# KiCad board EduboardV2_Baseboard.kicad_pcb (continued)
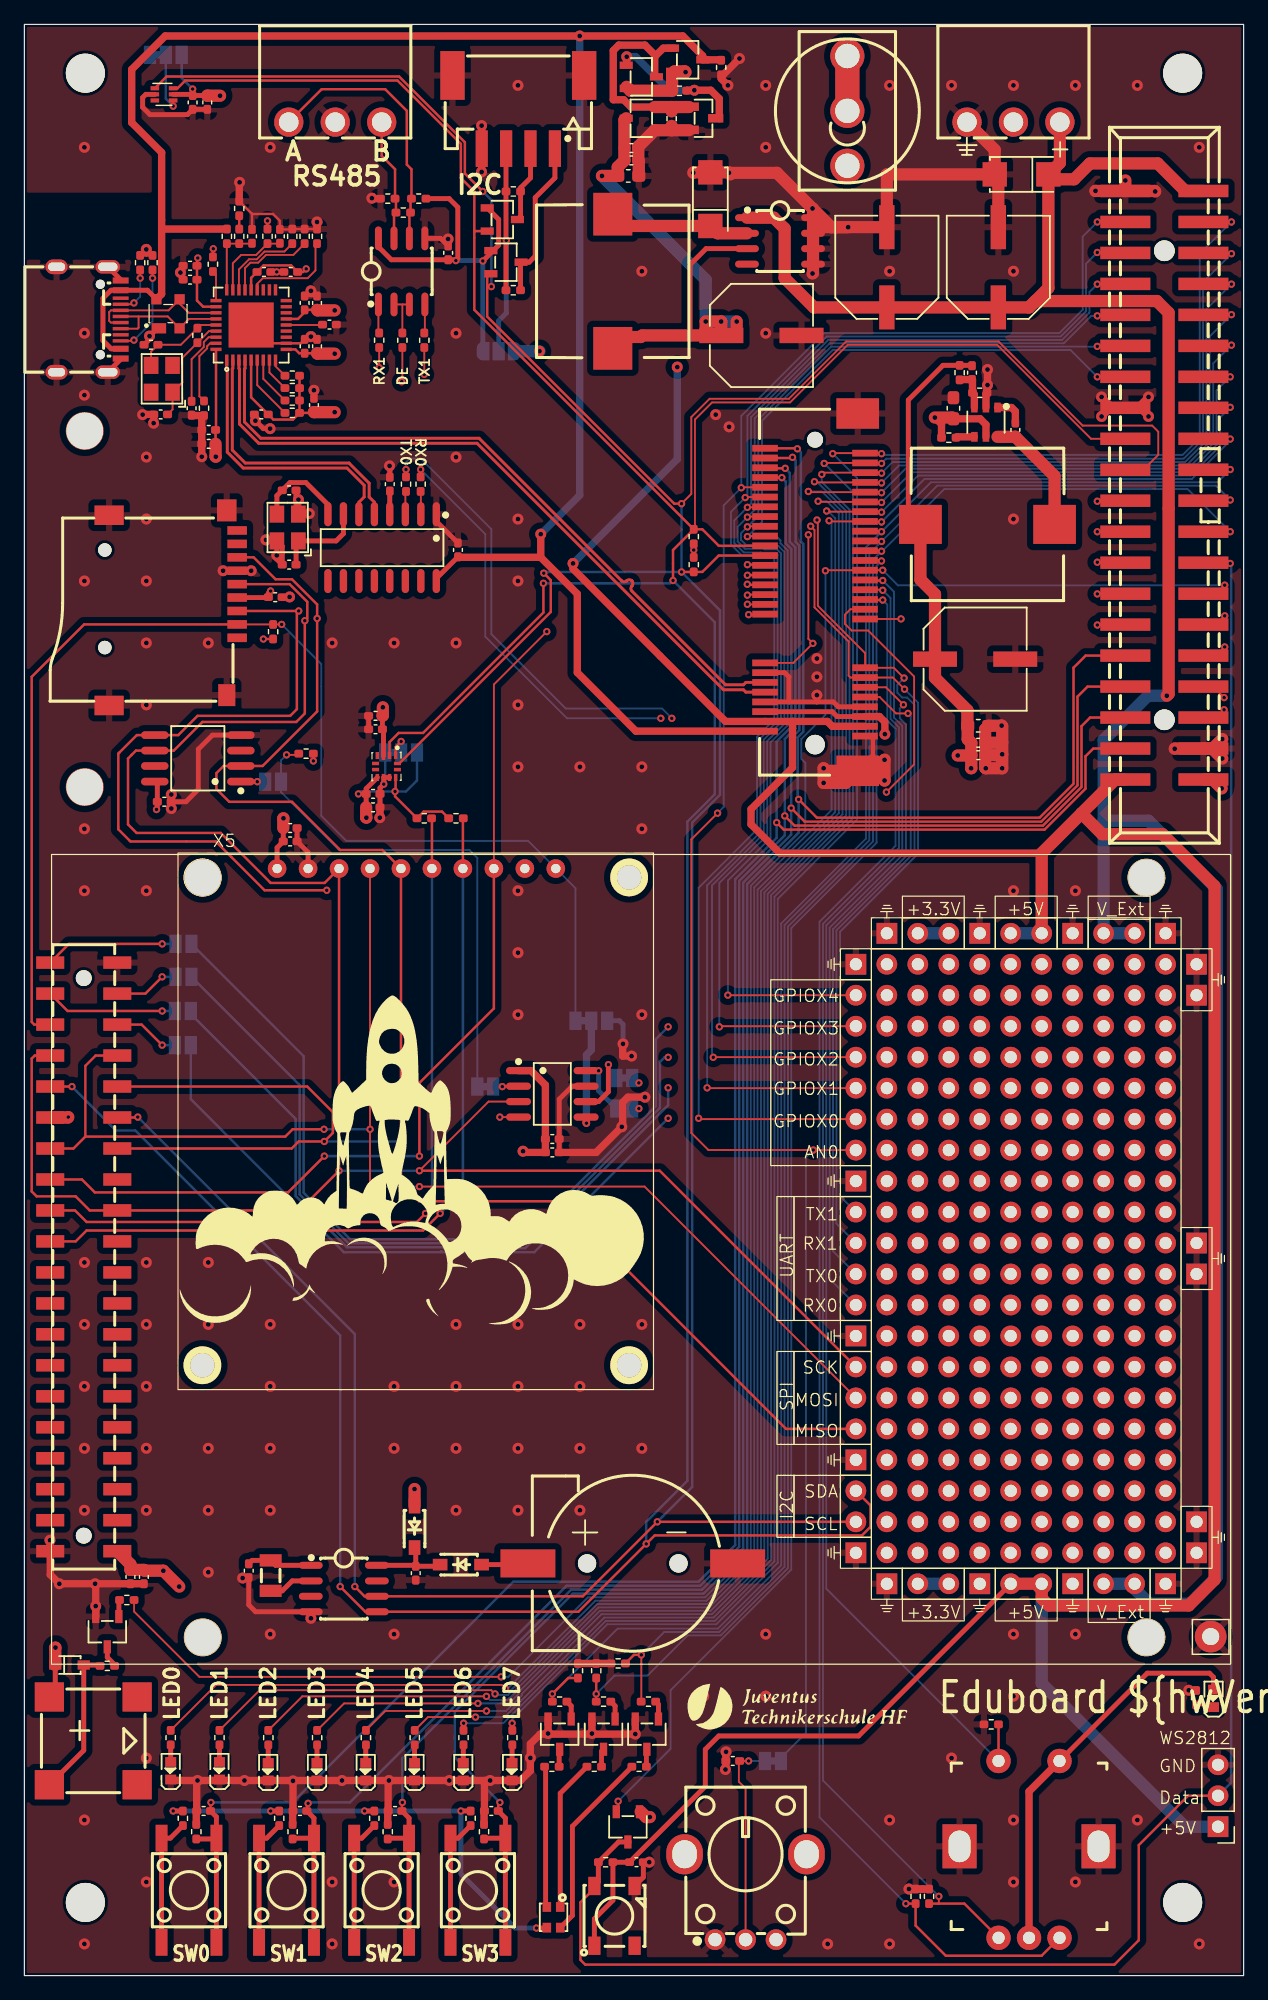
[diagram p0: board, top side]
## Routing (per net, layer and track width the routed paths; a pad name or vN(x,y) marks a point on that pad's centre or on a via; arc(x,y) is an arc through that point) (continued)
/Power/3.3V_EN: length 1.5
  Top w0.6: R6.1 76.49,126.18 IC4.4
GND: length 505.8
  Top w0.2: 13.02,139.65 v2(12.8,139.65) ; 13.02,139.65 C48.1 ; 13.02,139.65 C47.1 ; IC10.37 20.1,133.85 IC10.11 22.67,133.85 C37.1 23.5,134.17 ; 10,141.06 v2(10,141.55) ; 10,141.06 R49.2 ; 10,141.06 R50.1 ; 18.67,144.46 R72.2 ; 18.67,144.46 20.39,144.46 20.95,143.89 C46.2 21.94,143.19 R69.1 R67.1 R66.1 24,143.8 v2(24,143.8) ; 18.67,144.46 C45.2 ; 23.5,134.17 v2(23.5,134.4) ; 23.5,134.17 C38.1 ; C35.1 23.5,137.73 ; 23.5,137.73 v2(23.5,138.15) ; 23.5,137.73 C36.1 ; 20.25,139.7 v1(20.7,139.7) C34.1
  Top w0.4: C44.2 10.26,134.18 v2(10.26,134.44) 10.9,135.08 D17.1 ; v2(17.9,32.6) 17.93,32.63 C1.2 18.4,30.4 18.96,29.84 IC1.4 23.49,29.31 v2(23.5,29.3) ; J1.8 62.7,104.44 ; 62.7,104.44 65,104.44 ; 62.7,104.44 62.7,106.5 62.36,106.84 J1.14 ; X8.0 7.9,139.06 X8.A1 ; IC5.5 34.14,142.45 C31.1 34.76,142.39 v2(34.75,142.4) ; 65,104.44 v2(65,105) ; 65,104.44 66.36,104.44 66.76,104.04 J1.7 ; C30.1 22.28,120.03 Y1.2 ; v2(21.75,113.05) 21.73,113.03 C2.1 ; v2(22.48,121.03) 22.47,121.02 Y1.2 ; v2(18.6,115.2) X3.6 v2(16.3,115.2) ; X8.A12 7.9,132.54 X8.0 ; v2(29.95,123.8) 29.97,123.78 C28.1 ; Y1.4 20.71,116.47 v2(20.7,116.46) 20.7,116.15 C29.1 21.15,117.21 Y1.4 ; Y1.4 19.9,117.65 v2(19.81,117.73) ; v2(12.05,96.85) 12.04,96.84 C4.1 ; C4.1 12.04,95.71 v2(12.05,95.7) ; C4.1 13.25,96.26 14.27,97.27 14.27,100.56 15.42,101.72 IC2.4 ; C52.1 C51.1 13.37,152.6 10.3,152.6 9.7,153.2 9.7,154 9.96,154.26 U1.2 ; C54.1 C53.1 29.17,97.39 v1(29.48,97.7) 29.48,98.25 IC8.9 ; C27.1 C25.1 23.27,92.1 X5.2 ; C58.1 C57.1 43.87,71.87 44.93,72.93 U2.7 ; J1.1 69.41,101.64 69.6,101.45 69.6,100.04 J1.53 ; v2(23.37,119.89) 23.33,119.84 Y1.2 ; C40.1 23.75,130 v2(23.75,130) ; C32.1 33.79,119.25 X14.1 ; C56.1 C55.1 ; D15.3 50.77,8.07 C23.1 v2(51.25,9.3) ; v2(20.15,126.85) 19.6,126.85 v2(18.95,127.5) 18.86,127.59 C39.1
  Top w0.6: v2(9.7,128) 9.72,128.02 C42.1 10.61,127.31 v2(10.6,127.3) ; T1.2 v2(42.95,19.85) 42.9,19.8 ; R26.1 29.8,13.47 C22.1 29.83,15.93 v2(29.9,16) ; v2(14.2,16) 14.13,15.93 C18.1 14.1,13.47 R11.1 ; v2(14.2,16) 12,16 ; v2(14.2,16) D8.1 22,16 ; X7.26 91.31,128.56 v2(92.2,129.45) ; X7.26 91.49,128.56 v2(92.2,127.85) ; X7.26 89.06,128.56 v2(88.35,127.85) ; X7.26 89.24,128.56 v2(88.35,129.45) ; v2(57.5,16.9) 57.53,16.93 C17.1 57.53,18.33 v2(57.55,18.35) ; v2(29.9,16) D10.1 D9.1 22,16 ; v2(29.9,16) D11.1 D12.1 37.8,16 ; 46.5,19.8 50.1,19.8 v2(50.11,19.81) T2.2 ; 46.5,19.8 42.9,19.8 ; 46.5,19.8 v2(46.55,19.85) T3.2 ; IC4.2 78.87,129.7 R7.1 78.96,130.39 v2(78.99,130.43) v2(78.99,131.7) ; R45.2 R43.2 46.9,25.6 R44.2 ; R18.1 22,13.47 C20.1 v2(22.03,15.97) 22,16 ; v2(49.1,76.4) 49.07,76.37 49.07,75.4 v2(49.8,75.4) ; v2(28.5,145.75) 28.54,145.71 R53.1 ; v2(5.8,32.13) v2(2.87,32.13) 2.12,32.88 X9.1 2.12,35.68 v2(2.1,35.7) ; v2(5.8,32.13) 5.85,32.08 v2(5.85,30.3) T5.2 ; v2(5.8,32.13) C19.1 C26.1 ; 42.9,19.8 42.3,19.8 41.5,19 41.5,16.8 40.7,16 D13.1 37.8,16 ; v2(95.5,23.4) 95.52,23.38 R9.1 ; C43.2 13.75,127.93 R65.1 14.55,127.74 C49.1 C50.1 14.55,124.55 v2(14.55,124.55) ; 37.8,16 37.73,15.93 C24.1 37.7,13.47 R30.1 ; 37.8,16 v2(38.2,16) ; v2(37.5,151.7) 37.51,151.69 X10.4 37.51,147.91 v2(37.5,147.9) ; v2(58.65,157.2) 57.32,155.87 R5.1 57.15,155.55 v2(57.7,155) ; 73.7,7.1 72.55,7.1 v2(72.55,7.1) ; 73.7,7.1 R36.1 ; 73.7,7.1 R38.1 ; C58.1 46.9,67.5 v2(49,69.6) 49.07,69.67 49.07,71.6 49.5,72.03 v2(50.9,72.03) ; v2(29.15,94.95) 29.17,94.97 C54.1 ; v2(17.65,147.05) 17.62,147.02 R72.2
  Top w1: v2(64.64,144.91) 66.18,143.37 v2(67.56,143.37) ; v2(64.64,144.91) 61.72,147.83 v2(57.78,147.83) ; v2(64.64,144.91) 64.69,144.86 IC3.8 IC3.7 ; C12.2 78.8,102.19 C10.1 80.14,102.49 v2(80.15,102.5) 80.2,102.45 80.2,101.15 ; C12.2 80.14,101.09 80.2,101.15 ; C12.2 C14.2 ; v2(98.25,99.8) 97.43,100.62 X7.3 ; v2(64.64,139.57) 64.69,139.62 IC3.5 IC3.6 IC3.7 ; J1.53 67.36,97.8 v2(65.55,97.8) v2(65.55,99) 65.76,98.79 J1.53 ; J1.53 69.76,98.79 v2(70.55,98) v2(70.55,99.7) 69.64,98.79 J1.53 ; X7.40 87.86,146.34 v2(87.85,146.35) ; X7.40 92.71,146.34 v2(92.75,146.3) ; X7.40 v2(90.3,147.2) ; v2(54.86,147.83) 54.91,147.87 D4.2 57.74,147.87 v2(57.78,147.83) ; D3.2 79.88,147.41 C21.2 ; D3.2 79.59,149.71 X4.3 ; D3.2 70.74,147.7 C5.2 65.19,143.37 IC3.7 ; 80.2,101.15 v2(80.2,100.15) ; R3.1 53.09,151.32 ; 53.09,151.32 54.51,151.32 ; 53.09,151.32 51.7,151.32 50.35,149.98 C11.2 C15.2 50.39,148.8 C13.1 ; v2(80.2,100.15) 80.13,100.08 C14.2 ; v2(80.2,100.15) v2(80.2,99) v2(78.85,99) 78.8,99.05 C14.2 ; v2(57.78,147.83) 57.91,147.7 ; v2(94.35,100.6) 94.37,100.62 X7.3 ; X7.3 97.47,100.62 v2(98.25,101.4)
  In1.Cu w0.6: 67.01,65.25 67.11,65.15 X6.23 ; 67.01,65.25 66.92,65.16 66.92,52.54 67.01,52.45 ; 67.01,65.25 66.9,65.36 66.9,81.63 X6.30 X6.31 72.02,86.75 78.4,86.75 ; 86,86.75 85.98,86.73 85.98,85.47 ; 86,86.75 78.4,86.75 ; 86,86.75 92.32,86.75 X6.40 X6.41 X6.43 X6.44 X6.45 X6.46 X6.1 91.82,30.35 85.95,30.35 ; 78.4,86.75 78.36,86.71 X6.34 ; 66.9,42.3 66.9,35.97 X6.11 X6.10 72.52,30.35 78.3,30.35 ; 66.9,42.3 66.9,52.34 67.01,52.45 ; 66.9,42.3 66.91,42.29 X6.14 ; X6.7 78.36,30.41 78.3,30.35 ; 78.3,30.35 85.95,30.35 ; 67.01,52.45 67.01,52.45 X6.18 ; 85.95,30.35 85.98,30.38 85.98,32.13
  In1.Cu w1: X8.0 8.57,140.12 v2(10,141.55)
  Bottom w0.2: v1(29.48,97.7) 29.6,97.82 JP2.1 ; v1(20.7,139.7) 21.21,139.7
  Bottom w0.4: JP4.3 48.8,78.3 49.1,78 v2(49.1,76.4)
  vias: v2(4.92,149.92) v2(4.92,134.68) v2(4.92,129.6) v2(4.92,114.36) v2(4.92,94.04) v2(4.92,88.96) v2(4.92,58.48) v2(4.92,53.4) v2(4.92,48.32) v2(4.92,43.24) v2(4.92,38.16) v2(4.92,12.76) v2(4.92,2.6) v2(10,124.52) v2(10,119.44) v2(10,114.36) v2(10,109.28) v2(10,104.2) v2(10,88.96) v2(10,58.48) v2(10,53.4) v2(10,48.32) v2(10,43.24) v2(10,38.16) v2(10,17.84) v2(10,7.68) v2(15.08,109.28) v2(15.08,58.48) v2(15.08,53.4) v2(15.08,43.24) v2(15.08,38.16) v2(15.08,33.08) v2(18.05,16) v2(20.16,149.92) v2(20.16,53.4) v2(20.16,48.32) v2(20.16,43.24) v2(20.16,38.16) v2(20.16,28) v2(25.24,109.28) v2(25.24,7.68) v2(25.24,2.6) v2(26.05,16) v2(30.32,109.28) v2(30.32,48.32) v2(30.32,43.24) v2(30.32,28) v2(30.32,7.68) v2(34.85,16) v2(35.4,134.68) v2(35.4,124.52) v2(35.4,109.28) v2(35.4,53.4) v2(35.4,48.32) v2(35.4,43.24) v2(35.4,38.16) v2(40.48,155) v2(40.48,119.44) v2(40.48,114.36) v2(40.48,104.2) v2(40.48,99.12) v2(40.48,88.96) v2(40.48,83.88) v2(40.48,78.8) v2(40.48,53.4) v2(40.48,48.32) v2(40.48,43.24) v2(40.48,38.16) v2(41.5,17.85) v2(45.56,99.12) v2(45.56,58.48) v2(45.56,53.4) v2(45.56,48.32) v2(45.56,43.24) v2(45.56,38.16) v2(50.64,139.76) v2(50.64,99.12) v2(50.64,94.04) v2(50.64,78.8) v2(50.64,53.4) v2(50.64,43.24) v2(55.72,22.92) v2(56.7,128) v2(57.8,127) v2(60.8,155) v2(60.8,149.92) v2(60.8,134.68) v2(60.8,28) v2(60.8,22.92) v2(65,108) v2(65,106.5) v2(65.88,2.6) v2(70.96,155) v2(70.96,139.76) v2(70.96,12.76) v2(70.96,2.6) v2(76.04,155) v2(76.04,17.84) v2(81.12,155) v2(81.12,139.76) v2(81.12,119.44) v2(81.12,88.96) v2(81.12,28) v2(81.12,22.92) v2(81.12,12.76) v2(81.12,7.68) v2(86.2,155) v2(86.2,88.96) v2(86.2,28) v2(86.2,7.68) v2(91.28,155) v2(91.28,12.76) v2(96.36,149.92) v2(96.36,2.6)
AN0: length 169.3
  Top w0.15: J1.44 58.84,122.04 v1(58.8,122) ; v1(56.85,95.32) 54.7,93.17 54.7,69.1 56.1,67.7 v1(64.7,67.7) 64.71,67.69 X6.24 ; X7.38 v1(88,143.8)
  Bottom w0.15: JP9.2 62.05,17.85 64.1,19.9 64.1,67.1 v1(64.7,67.7) ; v1(88,143.8) 86.8,142.6 86.8,136.6 84.88,134.68 65.58,134.68 58.8,127.9 58.8,122.01 v1(58.8,122) 57.35,120.56 57.35,95.82 v1(56.85,95.32)
BUZZER: length 176.6
  Top w0.15: X7.13 97.75,113.32 v1(98.45,114.02) ; v1(39.1,24.5) 14.35,24.5 9,29.85 R39.1 ; v1(65.7,115.2) 65.74,115.24 J1.27 v1(70.4,115.24)
  Bottom w0.15: v1(39.1,24.5) 39.7,24.5 46.22,31.02 55.83,31.02 59.58,34.77 59.58,89.37 64.05,93.84 64.05,99.45 63.72,99.78 63.72,101.41 65.7,103.38 v1(65.7,115.2) ; v1(70.4,115.24) 71.64,114 98.43,114 v1(98.45,114.02)
DAC0: length 4.7
  Top w0.4: v1(47.1,74.2) 47.09,74.21 U2.8
  Bottom w0.4: v1(47.1,74.2) 47.1,72.55 JP15.1
DAC1: length 5.8
  Top w0.4: v1(47.9,74.7) 47.9,72.48 47.09,71.67 U2.6
  Bottom w0.4: v1(47.9,74.7) 47.9,74.25 JP14.1
FLASH_DAC_CS: length 110.3
  Top w0.15: J1.17 71.89,111.24 v1(71.9,111.25) ; R20.1 22.4,100.1 v1(21.5,100.1)
  In2.Cu w0.15: v1(71.9,111.25) 64.75,111.25 59.7,116.3 59,116.3 55.4,112.7 22.59,112.7 21.65,111.76 21.65,100.25 v1(21.5,100.1)
  Bottom w0.15: v1(21.5,100.1) 21.05,99.65 JP5.1 21.05,97.05 25.8,92.3 36.5,92.3 37.15,91.65 JP6.1
GPIOX0: length 176.3
  Top w0.15: v1(59.12,121.2) 59.16,121.24 J1.42 ; X7.36 88.04,141.26 v1(88,141.3) ; v1(55.3,70.3) 55.37,70.23 X6.25
  In2.Cu w0.15: v1(55.3,70.3) v1(52.8,70.3) 52,71.1 v1(50.4,71.1)
  Bottom w0.15: v1(55.3,70.3) 55.3,89.2 60.09,93.99 60.09,101.58 61.5,102.99 61.5,116.4 58.9,116.4 57.95,117.35 57.95,120.02 v1(59.12,121.2) 59.3,121.38 59.3,127.9 65.81,134.41 85,134.41 87.08,136.49 87.08,140.38 v1(88,141.3) ; JP15.2 v1(50.4,71.1)
  Bottom w0.2: JP10.1 13.65,71.86 26.19,59.32 26.39,59.32 26.39,59.32 34.12,59.32 34.2,59.4 34.28,59.32 41.82,59.32 v1(52.8,70.3)
GPIOX1: length 174.5
  Top w0.15: J1.40 60.71,120.4 v1(59.3,120.4) ; X6.26 56.03,72.77 v1(56,72.8) ; X7.34 88.02,138.72 v1(88,138.7)
  In2.Cu w0.15: v1(56,72.8) v1(52.8,72.8) 50.8,72.8 v1(50.4,73.2)
  Bottom w0.15: v1(88,138.7) 87.35,138.05 87.35,136.37 85.11,134.13 65.93,134.13 59.6,127.8 59.6,121.9 59.62,121.88 59.62,120.72 v1(59.3,120.4) 58.22,119.32 58.22,117.48 59,116.7 60.4,116.7 60.42,116.68 61.61,116.68 61.78,116.51 61.78,102.87 60.37,101.46 60.37,93.77 56,89.4 v1(56,72.8) ; 49.85,73.2 v1(50.4,73.2)
  Bottom w0.2: v1(52.8,72.8) 52.8,71.38 41.07,59.65 34.41,59.65 34.34,59.73 26.45,59.73 22.25,63.93 22.25,70.25 13.65,78.85 JP11.1
GPIOX2: length 171
  Top w0.15: v1(56.5,75.3) 56.51,75.31 X6.27 ; X7.32 88.08,136.18 v1(88,136.1) ; J1.38 59.34,119.64 v1(59.3,119.6)
  In2.Cu w0.15: v1(56.5,75.3) v1(52.8,75.3)
  Bottom w0.15: v1(88,136.1) 87.5,136.1 85.25,133.85 66.05,133.85 59.9,127.7 59.9,120.2 v1(59.3,119.6) 58.5,118.8 58.5,117.6 59.1,117 60.7,117 60.74,116.95 61.73,116.95 62.05,116.63 62.05,102.76 60.65,101.35 60.65,93.65 56.4,89.4 56.4,75.4 v1(56.5,75.3)
  Bottom w0.2: v1(52.8,75.3) 52.5,75.3 52.13,74.93 52.13,71.16 41.02,60.05 26.58,60.05 22.57,64.06 22.57,73.03 JP12.1
GPIOX3: length 171.2
  Top w0.15: v1(57,77.8) 57.05,77.85 X6.28 ; J1.36 59.34,118.84 v1(59.3,118.8) ; v1(88,133.6) 88.04,133.64 X7.30
  In2.Cu w0.15: v1(57,77.8) v1(52.8,77.8)
  Bottom w0.15: v1(57,77.8) 57,89.6 60.92,93.52 60.92,101.23 62.33,102.64 62.33,116.74 61.84,117.23 61.57,117.23 61.5,117.3 59.2,117.3 58.78,117.72 58.78,118.28 v1(59.3,118.8) 60.2,119.7 60.2,127.6 66.18,133.58 87.98,133.58 v1(88,133.6)
  Bottom w0.2: JP13.1 22.9,75.4 22.9,64.2 26.72,60.38 40.88,60.38 51.8,71.3 51.8,76.8 v1(52.8,77.8)
GPIOX4: length 97.5
  Top w0.15: J1.34 59.34,118.04 v1(59.3,118) ; v1(88,131.1) X7.28 ; v1(57.7,80.4) 57.71,80.39 68.2,80.39
  Bottom w0.15: v1(57.7,80.4) 57.7,89.8 61.2,93.3 61.2,101.12 62.61,102.53 62.61,116.86 62.02,117.45 62.02,117.68 61.7,118 v1(59.3,118) 60.5,119.2 60.5,127.5 66.3,133.3 85.8,133.3 v1(88,131.1)
LED0: length 179.5
  Top w0.15: v1(66,119.3) 66.06,119.24 J1.37 68.99,119.2 v1(70.3,119.2) ; v1(98.9,126) 98.88,126.02 X7.23 ; v1(39.46,23.52) 39.14,23.83 15.72,23.83 R12.2
  Bottom w0.15: v1(66,119.3) 66.2,119.1 66.2,95.58 59.86,89.23 59.86,34.65 55.95,30.74 46.83,30.74 39.61,23.52 v1(39.46,23.52) ; v1(70.3,119.2) 73.83,122.73 95.77,122.73 98.9,125.86 v1(98.9,126)
LED1: length 179.4
  Top w0.15: v1(98.9,128.6) 96.74,128.6 X7.25 ; v1(65.8,120.1) 65.86,120.04 J1.39 70.26,120.04 v1(70.3,120) ; v1(38.6,23.1) 38.3,23.4 19.29,23.4 R14.2
  Bottom w0.15: v1(38.6,23.1) 38.68,23.02 39.67,23.02 39.96,23.31 39.96,23.45 46.98,30.47 56.06,30.47 60.13,34.54 60.13,89.04 66.5,95.41 66.5,119.51 65.91,120.1 v1(65.8,120.1) ; v1(98.9,128.6) 98.06,127.76 98.06,125.41 95.65,123.01 73.31,123.01 v1(70.3,120)
LED2: length 179.8
  Top w0.15: v1(65.1,120.9) 65.16,120.84 J1.41 68.99,120.8 v1(70.3,120.8) ; v1(37.9,22.9) 37.9,22.9 22.79,22.9 R15.2 ; X7.27 v1(98.9,131.1)
  Bottom w0.15: v1(98.9,131.1) 97.78,129.98 97.78,125.53 95.54,123.28 72.78,123.28 v1(70.3,120.8) ; v1(65.1,120.9) 65.81,120.9 66.8,119.91 66.8,95.32 60.41,88.93 60.41,34.43 56.17,30.19 47.09,30.19 40.24,23.34 40.24,23.2 39.78,22.74 39.76,22.74 39.62,22.6 38.2,22.6 v1(37.9,22.9)
LED3: length 180.4
  Top w0.15: v1(37.2,22.32) 26.22,22.32 R16.2 ; X7.29 98.94,133.64 v1(99,133.7) ; v1(64.3,121.7) 64.36,121.64 J1.43 70.26,121.64 v1(70.3,121.6)
  Bottom w0.15: v1(99,133.7) 97.51,132.21 97.51,125.64 95.42,123.56 72.26,123.56 v1(70.3,121.6) ; v1(37.2,22.32) 39.73,22.32 39.88,22.47 39.9,22.47 40.51,23.08 40.51,23.22 47.2,29.91 56.29,29.91 60.69,34.31 60.69,88.81 67.1,95.23 67.1,120 65.4,121.7 v1(64.3,121.7)
LED4: length 178.4
  Top w0.15: v1(64.8,122.5) 64.86,122.44 J1.45 68.99,122.4 v1(70.3,122.4) ; X7.31 98.98,136.18 v1(99,136.2) ; R19.2 29.6,21.7 v1(37.9,21.7)
  Bottom w0.15: v1(99,136.2) 97.23,134.43 97.23,125.76 95.31,123.84 71.74,123.84 v1(70.3,122.4) ; v1(64.8,122.5) 64.99,122.5 67.4,120.09 67.4,95.14 60.96,88.7 60.96,34.2 56.4,29.64 47.34,29.64 40.79,23.09 40.79,22.97 40.01,22.19 39.99,22.19 39.5,21.7 v1(37.9,21.7)
LED5: length 176.4
  Top w0.15: v1(99,138.7) 98.98,138.72 X7.33 ; v1(37,21.2) 37,21.2 33.1,21.2 R21.2 ; v1(65.4,123.1) 65.54,123.24 J1.47 70.26,123.24 v1(70.3,123.2)
  Bottom w0.15: v1(37,21.2) 39.39,21.2 40.11,21.91 40.12,21.91 47.57,29.36 56.52,29.36 61.24,34.08 61.24,88.58 67.68,95.02 67.68,120.21 65.4,122.48 v1(65.4,123.1) ; v1(70.3,123.2) 71.21,124.11 95.19,124.11 96.95,125.87 96.95,136.65 v1(99,138.7)
LED6: length 175.7
  Top w0.15: v1(99,141.2) 98.94,141.26 X7.35 ; v1(70.3,124) 68.99,124 J1.49 65.64,124.04 v1(65.6,124) ; R22.2 36.02,20.69 v1(36.02,20.7)
  Bottom w0.15: v1(99,141.2) 96.68,138.88 96.68,125.99 95.08,124.39 70.69,124.39 v1(70.3,124) ; v1(65.6,124) 67.95,121.65 67.95,94.91 61.52,88.47 61.52,33.97 56.63,29.08 47.69,29.08 40.24,21.64 40.22,21.64 39.28,20.7 36.03,20.7 v1(36.02,20.7)
LED7: length 174.3
  Top w0.15: v1(99,143.8) X7.37 ; v1(66.3,124.8) 66.34,124.84 J1.51 70.26,124.84 v1(70.3,124.8) ; R23.2 40,20.13 v1(40,20.7)
  Bottom w0.15: v1(70.3,124.8) 70.4,124.7 95,124.7 96.4,126.1 96.4,141.2 v1(99,143.8) ; v1(66.3,124.8) 68.3,122.8 68.3,94.8 61.79,88.29 61.79,33.85 56.75,28.81 47.81,28.81 40,21 v1(40,20.7)
PWMB: length 142.1
  Top w0.15: v1(70.3,117.6) 68.99,117.6 J1.33 ; X7.19 98.84,120.94 v1(98.9,121) ; R33.2 50.6,22.48 v1(50.6,26.3)
  Top w0.2: R44.1 50,26.3 v1(50.6,26.3)
  Bottom w0.15: v1(50.6,26.3) 52.48,28.18 56.99,28.18 62.35,33.53 62.35,86.15 69.3,93.1 69.3,116.6 v1(70.3,117.6) 74.88,122.18 97.72,122.18 v1(98.9,121)
PWMG: length 148.9
  Top w0.15: J1.35 70.26,118.44 v1(70.3,118.4) ; R34.2 43.3,23.1 v1(43.3,23.1) ; v1(98.9,123.5) 98.88,123.48 X7.21
  Top w0.2: R45.1 44.6,24.4 v1(43.3,23.1)
  Bottom w0.15: v1(43.3,23.1) 48.65,28.45 56.88,28.45 62.07,33.64 62.07,86.27 69.02,93.22 69.02,117.12 v1(70.3,118.4) 74.35,122.45 97.85,122.45 v1(98.9,123.5)
PWMR: length 144.2
  Top w0.15: v1(46.9,23.1) 46.9,22.47 R32.2 ; v1(70.3,116.8) 70.26,116.84 J1.31 ; v1(98.9,118.4) X7.17
  Top w0.2: R43.1 v1(46.9,23.1)
  Bottom w0.15: v1(46.9,23.1) 48.4,24.6 51.1,24.6 54.4,27.9 57.11,27.9 62.62,33.41 62.62,86.02 69.6,93 69.6,116.1 v1(70.3,116.8) 70.35,116.8 75.45,121.9 95.4,121.9 v1(98.9,118.4)
RotEnc_A: length 123.1
  Top w0.15: v1(70.4,113.6) 70.36,113.64 J1.23 ; v1(75,6.5) 75,5.9
  Top w0.2: R36.2 77.1,5.9 SW6.A
  Bottom w0.15: v1(75,6.5) 65.49,16.01 65.49,86.23 71.73,92.46 71.73,102.36 71.05,103.04 71.05,112.95 v1(70.4,113.6)
RotEnc_B: length 130.4
  Top w0.2: SW6.B 83.43,1.63 75.57,1.63 73.1,4.1 R38.2 72.3,5.9 v1(72.3,5.9) ; v1(70.4,112.8) 68.99,112.8 J1.21
  Bottom w0.15: v1(70.4,112.8) 70.77,112.43 70.77,102.93 71.45,102.25 71.45,92.65 65.22,86.42 65.22,12.99 v1(72.3,5.9)
RotEnc_SW: length 110.4
  Top w0.2: SW6.1 79.9,20.6 R35.2 ; J1.25 68.99,114.4 v1(70.4,114.4)
  Bottom w0.15: SW6.1 65.77,31.73 65.77,86.12 72,92.35 72,102.48 71.32,103.16 71.32,113.48 v1(70.4,114.4)
RS485_A: length 22.2
  Top w0.2: X13.3 24.38,154.69 29.59,154.69 31.37,152.91 31.37,148.5 31.75,148.12 R55.1 31.67,145.64 31.67,144.57 31.58,144.47 IC5.6
RS485_B: length 10.1
  Top w0.2: IC5.7 30.32,144.41 R54.2 30.48,145.64 R53.2 30.4,148.12 29.3,149.22 X13.1
RS485_DE: length 81.3
  Top w0.15: X7.12 88.03,110.78 v1(88,110.75) ; R47.2 31,130.75 v1(30.95,130.7) ; J1.16 63.07,107.64 v1(64.67,109.24) 64.3,109.61 v1(64.3,118.15)
  In2.Cu w0.15: v1(88,110.75) 86.49,109.24 v1(64.67,109.24) ; v1(30.95,130.7) 33.35,128.3 54.1,128.3 64.25,118.15 v1(64.3,118.15)
SCL0: length 341.7
  Top w0.15: v1(53.9,120.7) 54.7,121.5 54.7,127.8 56.2,129.3 62.7,129.3 67.4,134 79.9,134 86.8,127.1 92.5,127.1 93,126.6 93,124.7 91.78,123.48 X7.22
  Top w0.2: v1(53.9,115.1) 54.9,115.1 R2.1 55.6,115.1 56.94,116.44 J1.30 ; 37.96,138.5 37.96,136.04 53.3,120.7 v1(53.9,120.7) ; 37.96,138.5 v1(38.3,138.5) ; 37.96,138.5 37.96,139.55 ; IC8.12 30.75,99.4 43.17,111.82 43.17,114.43 v1(42.6,115) ; X6.12 v1(51.91,37.21) 45.81,31.11 IC1.6 27.89,31.11 v1(27.1,31.9) ; X9.30 9.26,70.36 v1(9.3,70.4) ; U1.1 11.66,155.73 30.74,155.73 36.13,150.34 36.13,147.77 v1(37.6,146.3)
  Bottom w0.2: v1(51.91,37.21) 54.77,40.07 54.77,94.55 57.05,96.83 57.05,111.95 v1(53.9,115.1) ; v1(37.6,146.3) 38.3,145.6 v1(38.3,138.5) ; v1(27.1,31.9) 27.1,52.6 v1(9.3,70.4) ; v1(42.6,115) 42.7,115.1 v1(53.9,115.1) ; v1(53.9,120.7) v1(53.9,115.1)
SDA0: length 345.5
  Top w0.15: R1.1 55,118.7 55,127.6 56.4,129 62.8,129 67.52,133.72 79.79,133.72 87.49,126.02 X7.24
  Top w0.2: v1(42.57,114.17) 42.57,111.77 32.7,101.9 30.7,101.9 29.95,101.15 IC8.2 ; J1.32 56.96,117.24 55.6,118.6 54.9,118.6 R1.1 ; v1(53.2,114.4) 53.2,116.9 R1.1 ; R1.1 36.9,136.6 36.9,143 ; 36.9,143 36.9,146.3 35.8,147.4 35.8,150.2 30.6,155.4 13.2,155.4 12.56,154.76 U1.6 ; 36.9,143 36.95,143.05 Q6.2 ; X6.13 69.4,38.55 69.4,36.8 68.7,36.1 51.7,36.1 v1(51,35.4) 45.44,29.84 IC1.5 27.96,29.84 v1(25.9,31.9) ; v1(3.9,72.9) 3.9,72.9 X9.31
  Bottom w0.2: v1(42.57,114.17) 52.97,114.17 v1(53.2,114.4) 56.63,110.97 56.63,96.87 54.38,94.62 54.38,40.58 51,37.2 v1(51,35.4) ; v1(3.9,72.9) 7.5,69.3 9.1,69.3 25.9,52.5 v1(25.9,31.9)
SDCARD_LDAC_CS: length 153.6
  Top w0.15: v1(70.7,97.05) 72.97,99.33 72.97,106.53 69.2,110.3 67.85,110.3 67.3,110.85 67.3,111.59 67.75,112.04 J1.19 ; v1(21.1,110.8) 20.4,110.8 R24.1 17.45,110.8 X3.2
  Top w0.2: X9.35 0.82,77.98 0.6,78.2 0.6,106.5 4.9,110.8 X3.2
  In2.Cu w0.15: X5.10 49.86,97.05 v1(70.7,97.05)
  Bottom w0.15: JP4.1 45.2,89.17 X5.10 41.32,93.05 26.4,93.05 24.35,95.1 24.35,107.55 v1(21.1,110.8)
SPI0_CLK: length 255.3
  Top w0.15: v1(32.4,66) 38.07,71.67 U2.3
  Top w0.2: X6.17 52.11,66 v1(32.4,66) ; v1(88,115.9) 88.04,115.86 X7.16 ; J1.24 59.34,114.04 v1(59.29,114.09) ; X3.5 21.75,114.1 23.2,112.65 23.2,111.3 v1(23,111.1) 23,103.5 22.3,102.8 14.6,102.8 12.25,100.45 IC2.6 9.15,100.45 8.8,100.1 8.8,100.1 8.5,99.8 8.5,94.4 9.2,93.7 16.1,93.7 20.2,89.6 24.63,89.6 X5.3 v1(25.81,66) 22.55,62.74 X9.24 5.36,62.74 4.2,63.9 1,63.9 0.6,64.3 0.6,75.2 0.84,75.44 X9.33
  In2.Cu w0.2: v1(88,115.9) 82.15,110.05 63.33,110.05 v1(59.29,114.09) 55.95,110.75 23.35,110.75 v1(23,111.1)
  Bottom w0.2: v1(25.81,66) v1(32.4,66)
SPI0_MISO: length 237
  Top w0.2: X6.15 62.47,44.83 43.8,63.5 32.38,63.5 30.89,64.99 v1(30.89,68.4) X5.5 29.37,92.3 25.9,92.3 21.95,96.25 16.8,96.25 15.75,97.3 15.75,98.6 16.34,99.19 IC2.2 19.54,99.19 24.01,103.66 v1(24.01,111.29) 24.01,112.44 21.95,114.5 20.6,114.5 18.8,116.3 X3.7 ; X9.28 21.92,67.82 22.5,68.4 v1(24.6,68.4) 25.3,69.1 25.3,70.8 23.2,72.9 X9.32 ; J1.26 59.32,114.84 v1(59.3,114.83) ; v1(88,118.4) X7.18
  In2.Cu w0.2: v1(88,118.4) 79.97,110.37 63.75,110.37 v1(59.3,114.83) 59.09,114.62 59.07,114.62 58.76,114.31 58.76,114.29 55.76,111.29 v1(24.01,111.29)
  Bottom w0.2: v1(24.6,68.4) v1(30.89,68.4)
SPI0_MOSI: length 255.4
  Top w0.15: X5.4 v1(28.35,69.4) v1(28.35,64.7) ; v1(32.4,64.7) 50.87,64.7 X6.16 ; U2.4 v1(39,70.4)
  Top w0.2: v1(59.3,115.7) 60.69,115.7 J1.28 ; 5,68.8 21.4,68.8 22,69.4 v1(24.57,69.4) ; 5,68.8 5,74.6 5.84,75.44 X9.34 ; 5,68.8 4.02,67.82 X9.27 ; X3.3 v1(22.5,111.9) 22.35,111.75 22.35,103.85 21.8,103.3 14.2,103.3 12.62,101.72 IC2.5 9.22,101.72 7.7,100.2 7.7,94 8.7,93 15.7,93 19.7,89 v1(24.8,89) ; X7.20 88.04,120.94 v1(88,120.9)
  In2.Cu w0.15: v1(32.4,64.7) 33.3,64.7 v1(39,70.4)
  In2.Cu w0.2: v1(24.8,89) 26.57,89 X5.4 ; v1(88,120.9) 77.8,110.7 64.3,110.7 v1(59.3,115.7) 55.5,111.9 v1(22.5,111.9)
  Bottom w0.15: v1(28.35,64.7) v1(32.4,64.7)
  Bottom w0.2: v1(28.35,69.4) v1(24.57,69.4)
SW0: length 189.4
  Top w0.2: C18.2 15.27,14.17 v1(15.3,14.2) ; v1(61.7,94.55) 62.28,93.97 83.67,93.97 87.03,97.33 87.03,99.98 87.67,100.62 X7.4 ; v1(62.12,122.83) 62.12,122.84 J1.46
  Top w0.4: SW2.4 SW2.3 ; SW2.4 15.68,11.2 R11.2 ; SW2.4 15.75,13.02 C18.2
  Bottom w0.2: v1(62.12,122.83) 62.44,122.52 62.44,117.45 62.91,116.98 62.91,102.4 61.7,101.19 v1(61.7,94.55) 61.7,93.3 58.3,89.9 58.3,35.3 55.3,32.3 40.1,32.3 22,14.2 v1(15.3,14.2)
SW1: length 184.7
  Top w0.2: X7.6 87.41,103.16 86.7,102.45 86.7,97.46 83.54,94.3 63.17,94.3 v1(62.36,95.1) ; C20.2 23.17,14.02 v1(23.27,14.13) ; J1.48 60.79,123.6 v1(62.4,123.6)
  Top w0.4: C20.2 23.75,12.92 SW3.4 ; SW3.3 SW3.4 ; SW3.4 22.07,11.27 R18.2
  Bottom w0.2: v1(62.4,123.6) 62.77,123.23 62.77,117.58 63.23,117.12 63.23,102.27 62.63,101.67 62.63,101.67 62.36,101.4 v1(62.36,95.1) 62.36,93.5 58.63,89.76 58.63,35.16 55.44,31.97 44.47,31.97 26.7,14.2 23.34,14.2 v1(23.27,14.13)
SW2: length 182.8
  Top w0.2: v1(63,124.5) 62.94,124.44 J1.50 ; C22.2 30.97,14.17 v1(31,14.2) ; X7.8 87.2,105.7 86.38,104.88 86.38,97.6 83.4,94.62 64,94.62 v1(62.89,95.74)
  Top w0.4: SW4.4 29.87,11.27 R26.2 ; SW4.4 SW4.3 ; SW4.4 31.55,12.92 C22.2
  Bottom w0.2: v1(31,14.2) 31,17.81 44.84,31.65 55.57,31.65 58.95,35.03 58.95,89.63 62.89,93.57 v1(62.89,95.74) 62.89,101.46 63.1,101.67 63.56,102.13 63.56,117.25 63.25,117.56 63.25,124.25 v1(63,124.5)
SW3: length 185.6
  Top w0.2: v1(39,14.2) 38.87,14.07 C24.2 ; J1.52 63.36,125.24 v1(63.4,125.2) ; X7.10 87.04,108.24 86.05,107.25 86.05,97.74 83.26,94.95 65,94.95 v1(63.5,96.45)
  Top w0.4: C24.2 39.45,12.92 SW5.4 ; SW5.4 37.77,11.27 R30.2 ; SW5.4 SW5.3
  Bottom w0.2: v1(63.4,125.2) 63.69,124.91 63.69,117.59 63.89,117.39 63.89,102 63.42,101.53 63.42,96.53 v1(63.5,96.45) 63.5,93.71 59.28,89.49 59.28,34.89 55.71,31.32 44.98,31.32 35.3,21.64 35.3,17.9 v1(39,14.2)
TFT_CS: length 107.7
  Top w0.15: J1.20 59.31,112.44 v1(59.3,112.45)
  Top w0.2: R41.1 33.43,94.87 X5.6 ; X9.23 4.16,62.74 5.1,61.8 32.2,61.8 v1(32.9,62.5)
  In2.Cu w0.15: X5.6 33.43,103.33 38.7,108.6 55.45,108.6 v1(59.3,112.45)
  Bottom w0.2: X5.6 33.43,63.03 v1(32.9,62.5)
TFT_DC: length 98.5
  Top w0.15: J1.22 59.34,113.24 v1(59.3,113.2) ; X5.8 38.51,105.87 v1(42.85,110.21)
  Top w0.2: X9.25 4.72,65.28 5.77,64.23 21.63,64.23 v1(24.6,67.2) ; v1(32.4,67.2) 32.4,73.2 38.51,79.31 X5.8
  In2.Cu w0.15: v1(42.85,110.21) 42.86,110.2 56.3,110.2 v1(59.3,113.2)
  Bottom w0.2: v1(24.6,67.2) v1(32.4,67.2)
UART_RS485_RX: length 141.2
  Top w0.15: v1(29.1,131.85) R46.2 ; v1(65.01,119.36) 65.08,119.29 65.08,112.32 68.95,108.45 J1.15 71.31,107.24 v1(72.15,106.4) ; v1(98.45,111.5) 97.73,110.78 X7.11
  In2.Cu w0.15: v1(29.1,131.85) 34.6,131.85 37.6,128.85 54.33,128.85 63.82,119.36 v1(65.01,119.36) ; v1(72.15,106.4) 72.55,106.8 93.75,106.8 v1(98.45,111.5)
  Bottom w0.15: v1(72.15,106.4) 71.6,105.85 71.6,105.2 72,104.8 72.4,104.8 73,104.2 73,92.1 66.6,85.7 66.6,61.67 X6.21
UART_RS485_TX: length 133.9
  Top w0.15: v1(64.49,118.85) 64.8,118.54 64.8,112.2 67.6,109.4 67.6,106.59 67.75,106.44 J1.13 71.23,106.44 v1(72.19,105.49) ; X7.9 97.74,108.24 v1(98.45,108.95) ; v1(32.8,131.3) R48.2
  In2.Cu w0.15: v1(32.8,131.3) 35.53,128.57 54.22,128.57 63.94,118.85 v1(64.49,118.85) ; v1(98.45,108.95) 96.02,106.52 73.23,106.52 v1(72.19,105.49)
  Bottom w0.15: v1(72.19,105.49) 73.3,104.38 73.3,92 66.9,85.6 66.9,63.91 X6.22
UP_UART0_RX: length 140.6
  Top w0.15: J1.11 70.66,105.64 v1(72.1,104.21) ; v1(98.4,104.8) 97.5,105.7 X7.7 ; R56.2 v1(32.5,123.5)
  In2.Cu w0.15: v1(98.4,104.8) 97,106.2 74.09,106.2 v1(72.1,104.21) 53.31,104.21 v1(52.2,103.1)
  Bottom w0.15: v1(32.5,123.5) 37.8,118.2 37.8,109.8 44.5,103.1 v1(52.2,103.1) ; v1(72.1,104.21) 71.8,103.91 71.8,103.1 72.3,102.6 72.3,92.18 66.05,85.93 66.05,57.14 X6.19
UP_UART0_TX: length 139.8
  Top w0.15: X7.5 97.76,103.16 v1(98.4,103.8) ; R57.2 v1(31.3,123.5) ; J1.9 70.15,104.84 71.49,103.5 v1(72.47,103.5)
  In2.Cu w0.15: v1(98.4,103.8) 96.3,105.9 74.87,105.9 v1(72.47,103.5) 72.07,103.1 v1(53.1,103.1)
  Bottom w0.15: X6.20 66.32,59.41 66.32,85.81 72.7,92.19 72.7,103.27 v1(72.47,103.5) ; v1(31.3,123.5) 31.3,124.1 31.6,124.4 32.5,124.4 38.3,118.6 38.3,110 44.4,103.9 52.3,103.9 v1(53.1,103.1)
USB0_D+: length 11
  Top w0.152: 9.37,136.05 9.37,135.13 9.29,135.05 X8.B6 ; 9.37,136.05 X8.A6 ; 9.37,136.05 11.76,136.05 D17.2 13.5,135.85 IC10.31
USB0_D-: length 11.6
  Top w0.152: IC10.30 13.48,136.35 12.73,137.1 D17.3 11.82,136.55 X8.B7 7.1,136.55 6.95,136.41 6.95,135.69 7.1,135.55 X8.A7
USB-Debug_D+: length 57.5
  Top w0.24: J1.12 59.17,106.04 58.98,105.85 57.51,105.85 49.83,113.53 arc(49.74,113.74) 49.83,113.95 arc(49.92,114.16) 49.83,114.37 49.83,114.37 arc(49.62,114.46) 49.4,114.37 arc(49.19,114.29) 48.98,114.37 37.3,126.06 19.39,126.06 18.05,127.4 18.05,131.74 18.1,131.79 IC10.4
USB-Debug_D-: length 57.5
  Top w0.24: J1.10 59.17,105.24 58.98,105.44 57.34,105.44 37.13,125.65 19.22,125.65 17.64,127.23 17.64,131.74 17.6,131.79 IC10.3
USB-Serial_D+: length 22.5
  Top w0.24: IC10.2 17.1,131.79 17.05,131.74 17.05,125.1 18.12,124.03 26.63,124.03 28.28,122.38 28.28,121.25 28.71,120.82 X14.5
USB-Serial_D-: length 22.5
  Top w0.24: IC10.1 16.6,131.79 16.64,131.74 16.64,124.93 17.95,123.62 26.46,123.62 27.87,122.21 27.87,121.25 27.44,120.82 X14.6
V_EXT: length 206.9
  Top w1: D3.1 84.93,148.64 X4.1 ; D3.1 84.39,147.3 86.1,147.3 87.4,148.6 92.95,148.6 95.21,146.34 X7.39 ; D3.1 83.99,138.39 82.39,136.79 ; 82.39,136.79 82.92,137.32 92.88,137.32 93.85,136.35 93.85,105.1 v2(93.7,104.95) ; 82.39,136.79 C21.1 C5.1 64.76,136.79 62.36,139.19 62.36,143.26 61.46,144.15 IC3.1
  Bottom w1: 88.52,94.7 X6.38 X6.39 ; 88.52,94.7 92.2,94.7 97.8,89.1 97.8,32.7 95.6,30.5 92.28,30.5 91.06,31.72 X6.2 X6.3 ; 88.52,94.7 88.52,101.32 92.15,104.95 v2(93.7,104.95)
V_USB: length 167.7
  Top w0.4: C32.2 33.79,114.57 X14.16 ; X8.A9 7.12,133.4 6.45,134.07 6.45,137.54 7.1,138.2 X8.A4 10.09,138.2 D17.4
  Top w0.6: C32.2 35.6,116.3 42.35,116.3 ; 11.26,143.2 11.28,143.22 R70.1 ; 11.26,143.2 11.26,137.89 D17.4 ; 11.26,143.2 11.26,149.49 8.8,151.95 8.8,156.3 11.55,159.05 54,159.05 55.63,157.42 55.63,157.1 57.11,157.1 R5.2 ; 42.35,116.3 v2(42.35,118.2) ; 42.35,116.3 45.35,113.3 45.35,106.85 50.16,102.04 J1.2
  Bottom w0.6: v2(42.35,118.2) 45.55,121.4 v2(45.55,159.05)
WS2812_DIN: length 112.9
  Top w0.15: v1(48.7,14.3) 48.7,13.49 48.65,13.44 ; v1(70.3,116) 70.26,116.04 J1.29
  Bottom w0.15: v1(48.7,14.3) 53,18.6 53,23.4 62.9,33.3 62.9,85.9 69.9,92.9 69.9,115.6 v1(70.3,116)
WS2812_DOUT: length 178.3
  Top w0.15: X7.15 96.76,115.8 v1(98.9,115.8)
  Top w0.2: J2.2 95.45,14.75 91.4,10.7 91.4,2.9 89.4,0.9 46,0.9 45.6,1.3 45.6,6 46.75,7.15 D15.4
  Top w0.4: 49.6,10.96 48.74,10.96 R37.1 47.08,7.68 D15.4
  Bottom w0.2: v1(98.9,115.8) 98.98,115.72 98.98,15.83 J2.2
~{General_Reset}: length 141
  Top w0.15: v1(88,113.3) 88.02,113.32 X7.14 ; J1.18 60.71,111.6 v1(59.4,111.6)
  Top w0.2: v1(34.1,62.5) 32.7,61.1 5.1,61.1 4.2,60.2 X9.21 ; R42.1 35.97,94.87 X5.7
  In2.Cu w0.15: v1(88,113.3) 84.45,109.75 61.25,109.75 v1(59.4,111.6) 55.85,108.05 39.1,108.05 35.97,104.92 X5.7
  Bottom w0.2: v1(34.1,62.5) 35.97,64.37 X5.7
Net-(D1--): length 6.9
  Top w0.4: IC1.8 32.02,33.65 C3.2 ; C3.2 33.97,33.57 D2.1 ; C3.2 32.1,35 D1.1
Net-(D2-+): length 3.8
  Top w0.4: X2.1 41.2,33.7 D2.2
Net-(D4-K): length 11.7
  Top w1: L2.1 49.23,143.47 D4.1 56.86,142.87 IC3.2
Net-(D5-C): length 1.5
  Top w0.2: R9.2 97.36,22.19 D5.1
Net-(D6-A): length 1.5
  Top w0.4: 12,17.44 R12.1
Net-(D7-A): length 1.5
  Top w0.4: 16,17.44 R14.1
Net-(D8-A): length 1.5
  Top w0.4: R15.1 20,18.91 D8.2
Net-(D9-A): length 1.5
  Top w0.4: R16.1 24,18.91 D9.2
Net-(D10-A): length 1.5
  Top w0.4: R19.1 28,18.9 D10.2
Net-(D11-A): length 1.5
  Top w0.4: D11.2 32,18.9 R21.1
Net-(D12-A): length 1.5
  Top w0.4: R22.1 36,18.9 D12.2
Net-(D13-A): length 1.5
  Top w0.4: R23.1 40,18.9 D13.2
Net-(D14-K-Pad1): length 12.4
  Top w0.4: D14.1 43.95,14.95 46.13,17.13 R31.2
Net-(D14-K-Pad2): length 15.6
  Top w0.4: R28.2 49.82,17.12 44.95,12.25 44.95,4.93 D14.2
Net-(D14-K-Pad4): length 11.6
  Top w0.4: R27.2 42.75,17.05 42.75,5.73 D14.4
Net-(D16-A): length 12.3
  Top w0.4: BUZZER2.2 4.87,18.47 D16.2 6.13,25.47 R40.2
Net-(IC1-OSCI): length 5.4
  Top w0.4: C1.1 18.68,34.05 X1.2 20.6,33.65 IC1.1
Net-(IC1-OSCO): length 3.6
  Top w0.4: IC1.2 21.97,32.37 21.15,31.55 X1.1
Net-(IC2-CS#): length 2
  Top w0.15: v1(19.1,97.9) 17.77,97.9 IC2.1
  Bottom w0.15: JP5.2 v1(19.1,97.9)
Net-(IC4-BS): length 2.5
  Top w0.6: C6.1 81.28,128.27 80.97,128.58 IC4.1
Net-(IC4-FB): length 3.4
  Top w0.6: R8.1 76.74,130.88 C8.1 77.76,130.84 R7.2 77.92,129.64 IC4.3
Net-(IC4-LX): length 10
  Top w1: IC4.6 81.28,126.18 C6.2 84.49,122.96 L1.1
Net-(IC5-DE): length 3.6
  Top w0.15: 31,137.03 IC5.3 ; 31,137.03 R47.1 ; 31,137.03 IC5.2
Net-(IC5-DI): length 2.4
  Top w0.15: R48.1 32.85,134.74 IC5.4
Net-(IC5-RO): length 2.4
  Top w0.15: IC5.1 29.04,134.76 R46.1
Net-(IC8-SA0/SDO): length 2.2
  Top w0.2: v1(30.9,101.2) 30.45,100.75 IC8.1
  Bottom w0.2: JP2.2 v1(30.9,101.2)
Net-(IC10-CRFILT): length 3
  Top w0.15: IC10.14 24.42,135.35 C41.1
Net-(IC10-HS_IND/CFG_SEL1): length 6.9
  Top w0.15: R69.2 21.32,141.37 19.7,141.37 19.06,140.74 18.43,140.74 17.6,139.91 IC10.25
Net-(IC10-PLLFILT): length 6.4
  Top w0.15: IC10.34 15.11,134.35 14.72,133.95 14.72,133.55 13.72,132.55 C43.1
Net-(IC10-RBIAS): length 5.7
  Top w0.15: IC10.35 15.23,133.85 14.99,133.61 14.99,133.43 14.35,132.79 14.35,129.5 R65.2
Net-(IC10-RESET_N): length 6.7
  Top w0.15: C46.1 20.92,142.02 R73.1 19.01,141.1 17.78,141.1 17.1,140.41 IC10.26
Net-(IC10-SCL/SMBCLK/CFG_SEL0): length 7.5
  Top w0.15: IC10.24 18.1,140.02 18.54,140.46 19.18,140.46 19.81,141.1 22.06,141.1 R67.2
Net-(IC10-SDA/SMBBATA/NON_REM1): length 8
  Top w0.15: IC10.22 19.1,138.73 19.56,139.19 23.24,139.19 23.88,139.83 23.88,141.9 R66.2
Net-(IC10-SUSP_IND/LOCAL_PWR/NON_REM0): length 2.5
  Top w0.15: R68.1 15.72,139.48 IC10.28
Net-(IC10-USBDM_DN3/PRT_DIS_M3): length 5.3
  Top w0.15: R63.2 19.1,130.42 IC10.6
Net-(IC10-USBDM_DN4/PRT_DIS_M4): length 2.8
  Top w0.15: R61.2 20.1,131.45 IC10.8
Net-(IC10-USBDP_DN3/PRT_DIS_P3): length 4
  Top w0.15: R62.2 19.6,130.94 IC10.7
Net-(IC10-USBDP_DN4/PRT_DIS_P4): length 1.6
  Top w0.15: R60.2 20.6,131.97 IC10.9
Net-(IC10-VBUS_DET): length 5.9
  Top w0.15: C45.1 18.64,142.02 R71.1 R70.2 16.6,142.01 IC10.27
Net-(IC10-XTALIN/CLKIN): length 8.8
  Top w0.15: C42.2 12.15,128.42 X15.1 12.95,130.64 12.95,132.66 R64.1 15.15,134.85 IC10.33
Net-(IC10-XTALOUT): length 7.4
  Top w0.15: X15.3 10.39,133.17 C44.1 12.83,133.73 R64.2 14.45,135.35 IC10.32
Net-(JP1-C): length 20.9
  Top w0.4: 39.4,146.2 R52.2 39.5,149.8 X10.3 ; 39.5,146.2 39.5,142.33 v1(39.53,142.3) 39.5,142.27 39.5,138.3
  Bottom w0.4: JP1.2 38.9,135.7 39.53,136.33 v1(39.53,142.3)
Net-(JP3-C): length 4.9
  Top w0.2: U1.4 12.2,153.76 v1(12.2,153.3)
  Bottom w0.2: v1(12.2,153.3) 11.6,153.9 JP3.2
Net-(JP4-C): length 9.1
  Top w0.6: v1(46.1,69.9) 46.07,69.93 U2.5
  Bottom w0.6: JP4.2 46.5,75.9 46.1,75.5 v1(46.1,69.9)
Net-(JP6-B): length 2.1
  Top w0.15: U2.2 40.5,72.9 v1(39.2,72.9)
  Bottom w0.15: JP6.2 v1(39.2,72.9)
Net-(JP9-A): length 17
  Top w0.15: R13.2 59.15,15.35 58.6,15.9 58.6,17.53 C17.2 v1(59.4,17.6)
  Bottom w0.15: v1(59.4,17.6) JP9.1
Net-(JP10-B): length 5.1
  Top w0.2: v1(11.3,76.3) 9.62,77.98 X9.36
  Bottom w0.2: 11.6,76.3 JP10.2
Net-(JP11-B): length 10.8
  Top w0.2: v1(11.3,79.1) 3.54,79.1 X9.37
  Bottom w0.2: v1(11.3,79.1) JP11.2
Net-(JP12-B): length 5.4
  Top w0.2: v1(11.3,81.9) 9.92,80.52 X9.38
  Bottom w0.2: JP12.2 v1(11.3,81.9)
Net-(JP13-B): length 10.9
  Top w0.2: v1(11.3,84.6) 3.65,84.6 X9.39
  Bottom w0.2: v1(11.3,84.6) JP13.2
Net-(Q1-D): length 11.9
  Top w0.6: R4.1 54.36,154.6 v2(54.95,154.6) 56.3,154.6 56.99,153.91 56.99,152.27 ; 49.4,156.78 49.4,157.35 v2(49.4,157.35)
  Bottom w0.6: v2(54.95,154.6) 52.9,154.6 50.15,157.35 v2(49.4,157.35)
Net-(Q1-G): length 18.4
  Top w0.6: 51.7,157.35 52.4,158.05 53.33,158.05 ; 51.7,157.35 51.7,155.83 ; 51.7,157.35 51.7,157.5 50.9,158.3 48.75,158.3 48.3,157.85 48.3,153.82 49.15,153.82 49.75,153.22 51.7,153.22
  Top w1: 53.09,153.22 54.51,153.22 ; 53.09,153.22 R3.2 ; 53.09,153.22 51.7,153.22
Net-(Q3-S): length 22.9
  Top w1: v2(54.23,156.08) 54.16,156.15 53.33,156.15 53.12,155.94 R4.2 49.72,154.56 49.4,154.88
  In2.Cu w1: SW1.1 64.11,151.8 59.3,151.8 55.02,156.08 v2(54.23,156.08)
Net-(Q5-D): length 13.6
  Top w0.4: R51.1 40.69,140.25 40.44,140.5 41.4,140.5 41.9,141 41.9,145.8 43.51,147.41 X10.1
Net-(Q6-D): length 6.3
  Top w0.4: X10.2 41.51,147.41 40.7,146.6 R52.1 40.7,144.26 Q6.3
Net-(R10-Pad1): length 10.7
  Top w0.4: R10.1 11.97,11.27 SW2.2 SW2.1
Net-(R17-Pad1): length 10.6
  Top w0.4: SW3.1 SW3.2 19.87,11.27 R17.1
Net-(R25-Pad1): length 10.6
  Top w0.4: SW4.1 SW4.2 27.67,11.27 R25.1
Net-(R29-Pad1): length 10.6
  Top w0.4: SW5.1 SW5.2 35.57,11.27 R29.1
Net-(R71-Pad2): length 1.1
  Top w0.2: R71.2 R72.1
Net-(T1-D): length 1.4
  Top w0.4: R27.1 43.86,18.52 T1.3
Net-(T1-G): length 1.6
  Top w0.4: R34.1 44.85,22.11 T1.1
Net-(T2-D): length 1.4
  Top w0.4: T2.3 51.02,18.52 R28.1
Net-(T2-G): length 1.5
  Top w0.4: R33.1 52.01,22.24 T2.1
Net-(T3-D): length 1.5
  Top w0.4: T3.3 47.34,18.4 R31.1
Net-(T3-G): length 1.6
  Top w0.4: T3.1 48.45,22.11 R32.1
Net-(T5-D): length 1.8
  Top w0.4: R40.1 7.4,25.5 6.8,26.1 T5.3
Net-(T5-G): length 1.4
  Top w0.4: R39.2 7.75,30.75 T5.1
Net-(X8-CC1): length 4
  Top w0.15: X8.A5 8.88,137.05 v1(8.99,137.16) ; R50.2 v1(9.49,139.19)
  Bottom w0.15: v1(9.49,139.19) 9.49,137.67 v1(8.99,137.16)
Net-(X8-CC2): length 7.5
  Top w0.15: v1(10.51,139.19) R49.1 ; v1(8.99,134.11) 8.92,134.05 X8.B5
  Bottom w0.15: v1(8.99,134.11) 10.51,135.64 v1(10.51,139.19)
Net-(X14-RXD): length 1.9
  Top w0.15: X14.3 31.25,121.65 R57.1
Net-(X14-TXD): length 1.9
  Top w0.15: 32.52,119.83 32.52,121.69 R56.1
Net-(X14-V3): length 1.9
  Top w0.4: X14.4 29.97,121.73 C28.2
Net-(X14-XI): length 7.6
  Top w0.4: X14.7 26.17,118.24 25.57,117.65 Y1.1 22.28,117.46 C29.2
Net-(X14-XO): length 7.7
  Top w0.4: X14.8 24.9,120.62 23.09,122.43 21.79,122.43 C30.2 20.71,121.35 Y1.3

## Copper pours and planes (outline as drawn; the poured copper is in the pictures)
GND on Top, Bottom, In1.Cu, In2.Cu: 0,160 100,160 100,0 0,0 0,140.7 11.7,140.7 11.7,146.2 0,146.2

## Text on the board
B.Silkscreen: 0x48 | 0x49 | 0x0F | 0x1F | RTC | Gyro | ~{FONT_CS} | ~{FLASH_CS} | ~{FLASH_WP} | ~{FLASH_HOLD} | AN0 | CS_DAC | 3.3V | 5V | I2C | LDAC | DAC1 | DAC0
F.Silkscreen: RX1 | DE | TX1 | TX0 | RX0 | WS2812 | GND | Data | +5V | SW0 | SW1 | SW2 | SW3 | LED0 | LED1 | LED2 | LED3 | LED4 | LED5 | LED6 | LED7 | A     B | RS485 | I2C | Eduboard ${hwVersion}
